# Altium PCB PROC010B_PCB.PcbDoc (part 2 of 6)
Units mil, origin at the board's own origin, x right, y up, seen from the top; angles counter-clockwise.
Board outline 3180 x 2565 mil, 6 copper layers (TOP, L2, L3, L4, L5, BOTTOM), stack 55.54 mil thick; 362 components, 264 nets, 1248 pads, 1144 vias.
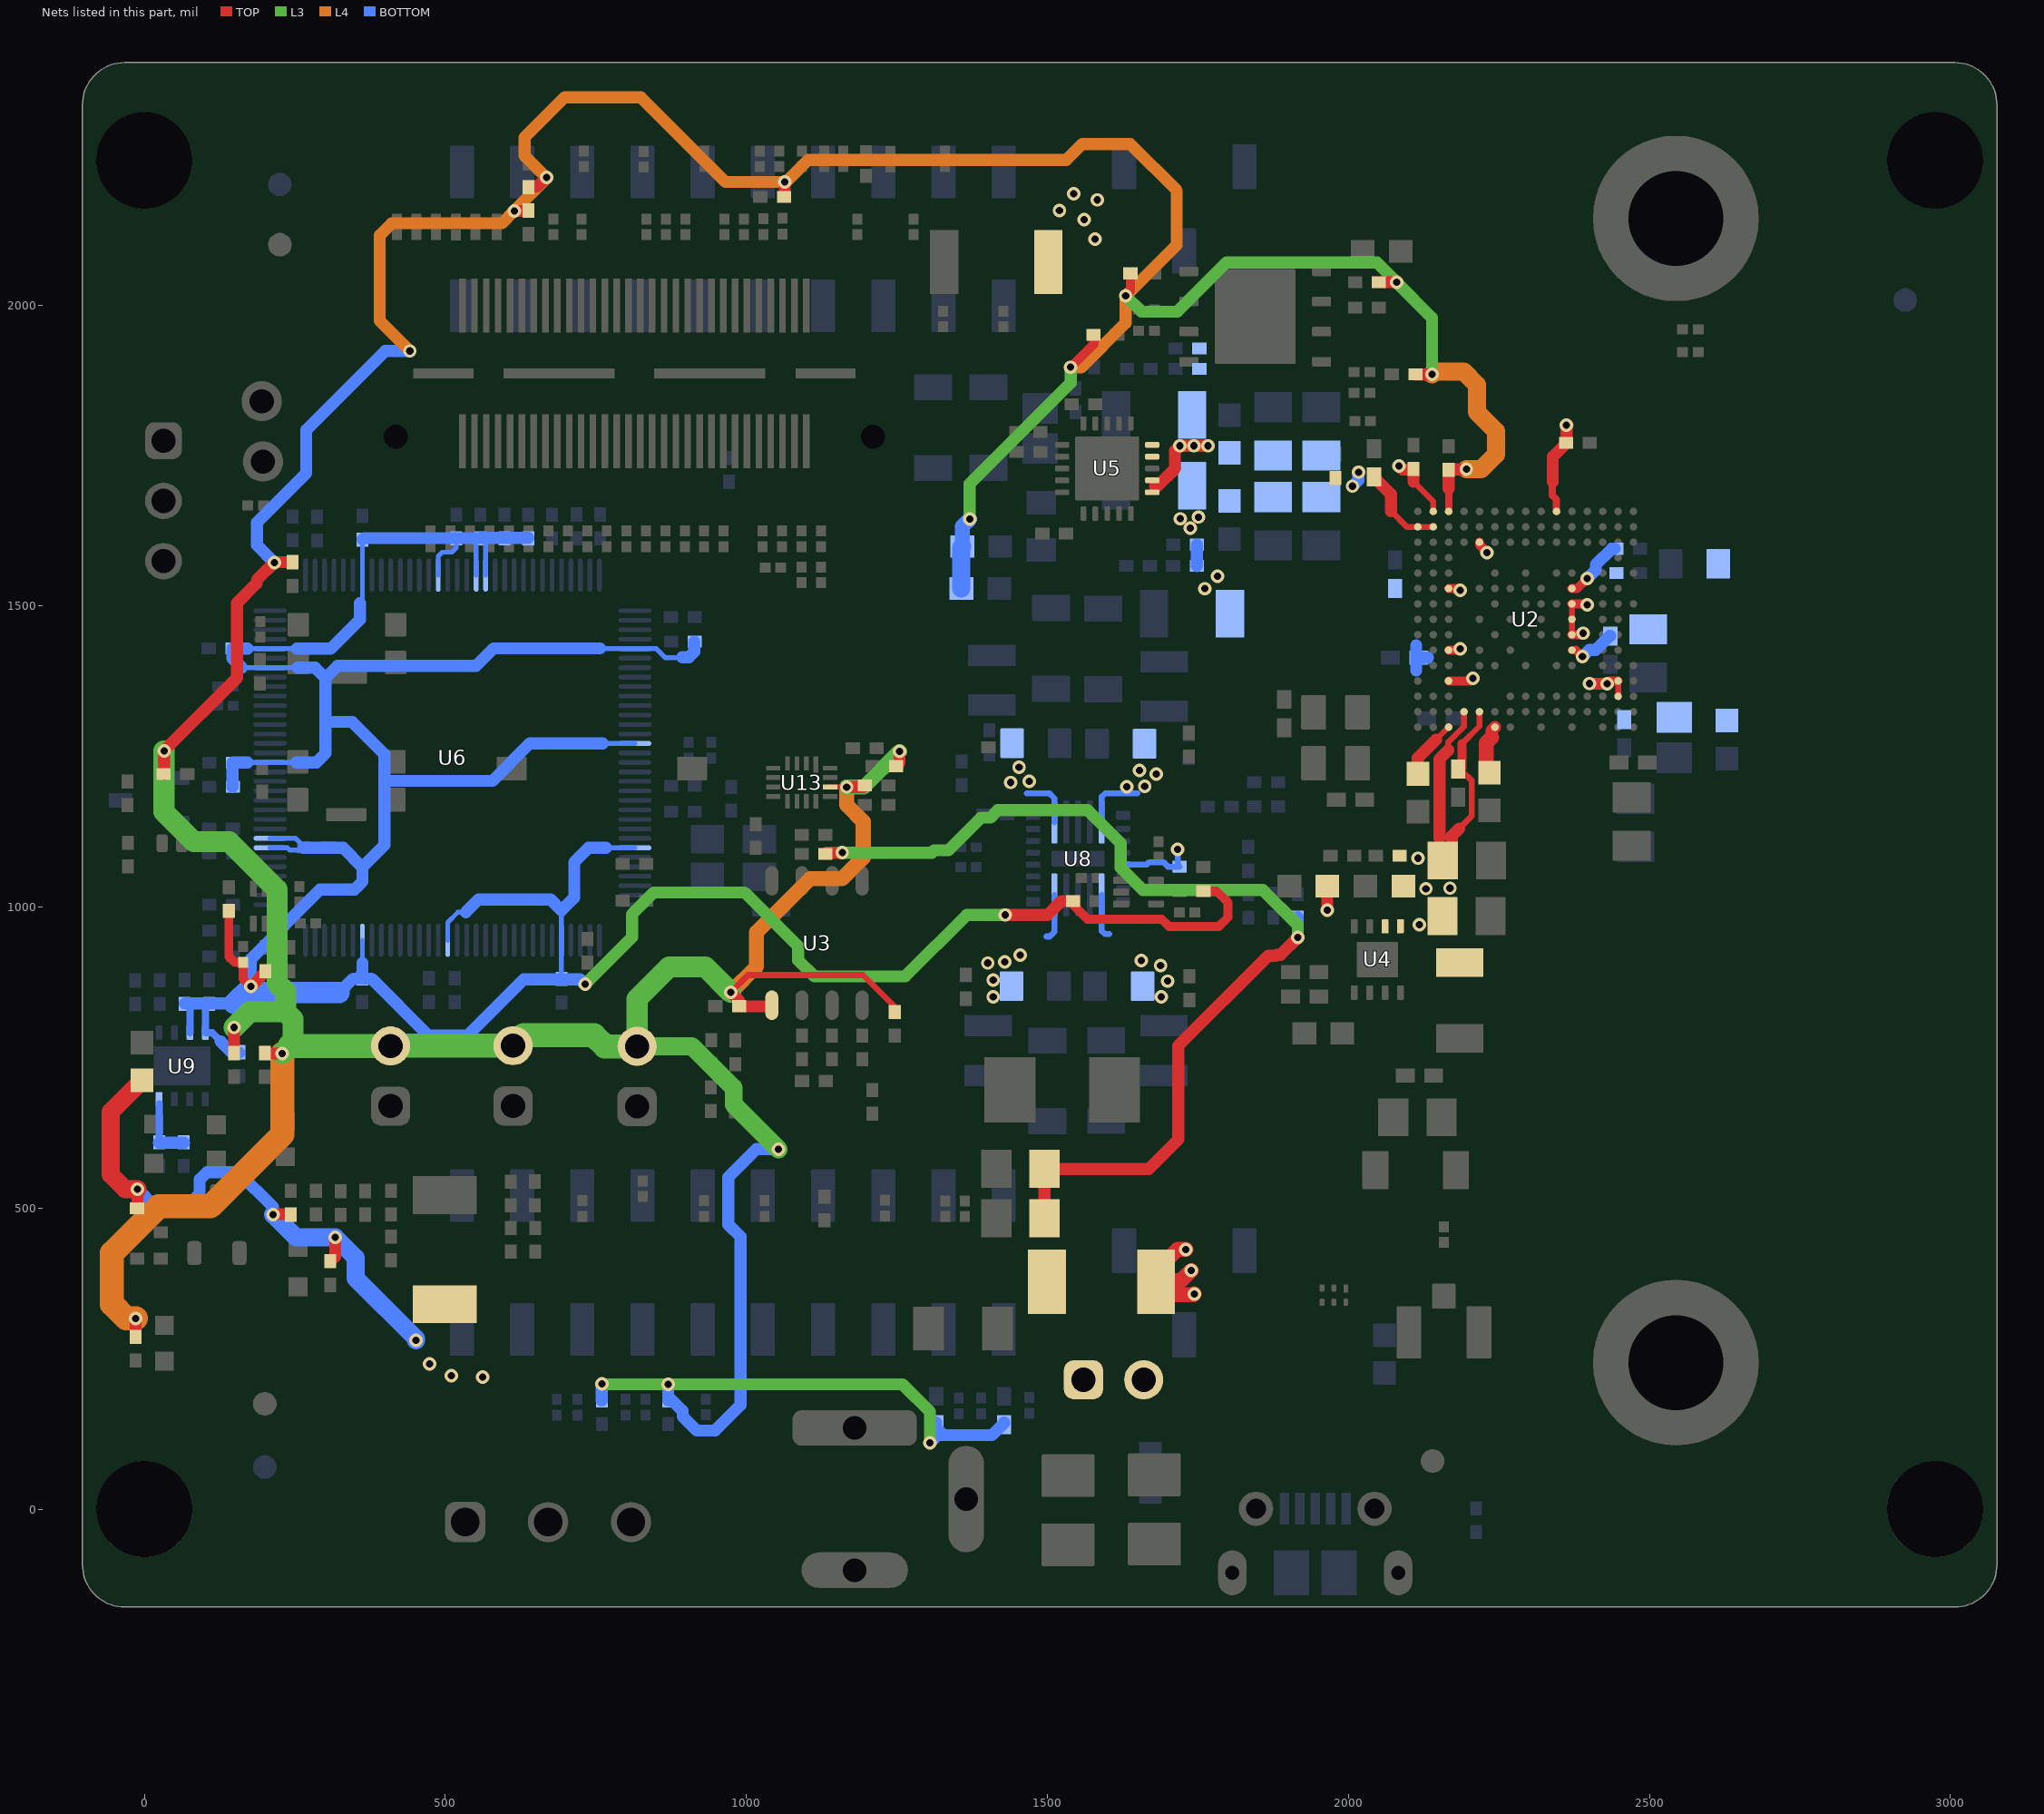
[diagram p6: the nets of this part, all layers, seen from the top]

## Footprints (in the part's own frame and the unit in brackets; to place one, negate y for a bottom-side part, rotate by r counter-clockwise, add the part's x,y. Pads: shape width x height; smd on the part's side, far side on the other; paste and mask are expansions set on the pad) (continued)
PDT0128A [mm] "Thin QFP, 128-Leads, Body 14x14mm, Pitch 0.4mm"
  oval 1.4x0.2 smd: 1(-7.7,6.2) 2(-7.7,5.8) 3(-7.7,5.4) 4(-7.7,5) 5(-7.7,4.6) 6(-7.7,4.2) 7(-7.7,3.8) 8(-7.7,3.4) 9(-7.7,3) 10(-7.7,2.6) 11(-7.7,2.2) 12(-7.7,1.8) 13(-7.7,1.4) 14(-7.7,1) 15(-7.7,0.6) 16(-7.7,0.2) 17(-7.7,-0.2) 18(-7.7,-0.6) 19(-7.7,-1) 20(-7.7,-1.4) 21(-7.7,-1.8) 22(-7.7,-2.2) 23(-7.7,-2.6) 24(-7.7,-3) 25(-7.7,-3.4) 26(-7.7,-3.8) 27(-7.7,-4.2) 28(-7.7,-4.6) 29(-7.7,-5) 30(-7.7,-5.4) 31(-7.7,-5.8) 32(-7.7,-6.2) 65(7.7,-6.2) 66(7.7,-5.8) 67(7.7,-5.4) 68(7.7,-5) 69(7.7,-4.6) 70(7.7,-4.2) 71(7.7,-3.8) 72(7.7,-3.4) 73(7.7,-3) 74(7.7,-2.6) 75(7.7,-2.2) 76(7.7,-1.8) 77(7.7,-1.4) 78(7.7,-1) 79(7.7,-0.6) 80(7.7,-0.2) 81(7.7,0.2) 82(7.7,0.6) 83(7.7,1) 84(7.7,1.4) 85(7.7,1.8) 86(7.7,2.2) 87(7.7,2.6) 88(7.7,3) 89(7.7,3.4) 90(7.7,3.8) 91(7.7,4.2) 92(7.7,4.6) 93(7.7,5) 94(7.7,5.4) 95(7.7,5.8) 96(7.7,6.2)
  oval 0.2x1.4 smd: 33(-6.2,-7.7) 34(-5.8,-7.7) 35(-5.4,-7.7) 36(-5,-7.7) 37(-4.6,-7.7) 38(-4.2,-7.7) 39(-3.8,-7.7) 40(-3.4,-7.7) 41(-3,-7.7) 42(-2.6,-7.7) 43(-2.2,-7.7) 44(-1.8,-7.7) 45(-1.4,-7.7) 46(-1,-7.7) 47(-0.6,-7.7) 48(-0.2,-7.7) 49(0.2,-7.7) 50(0.6,-7.7) 51(1,-7.7) 52(1.4,-7.7) 53(1.8,-7.7) 54(2.2,-7.7) 55(2.6,-7.7) 56(3,-7.7) 57(3.4,-7.7) 58(3.8,-7.7) 59(4.2,-7.7) 60(4.6,-7.7) 61(5,-7.7) 62(5.4,-7.7) 63(5.8,-7.7) 64(6.2,-7.7) 97(6.2,7.7) 98(5.8,7.7) 99(5.4,7.7) 100(5,7.7) 101(4.6,7.7) 102(4.2,7.7) 103(3.8,7.7) 104(3.4,7.7) 105(3,7.7) 106(2.6,7.7) 107(2.2,7.7) 108(1.8,7.7) 109(1.4,7.7) 110(1,7.7) 111(0.6,7.7) 112(0.2,7.7) 113(-0.2,7.7) 114(-0.6,7.7) 115(-1,7.7) 116(-1.4,7.7) 117(-1.8,7.7) 118(-2.2,7.7) 119(-2.6,7.7) 120(-3,7.7) 121(-3.4,7.7) 122(-3.8,7.7) 123(-4.2,7.7) 124(-4.6,7.7) 125(-5,7.7) 126(-5.4,7.7) 127(-5.8,7.7) 128(-6.2,7.7)
  silkscreen extent -7.7,-6.3 6.3,6.99, body extent -8,-8 8,8, height 1.07
RNF0026C [mm] "QFN, 26-Leads, Body 4x4.5mm, Pitch 0.5mm"
  rrect25% 0.6x0.4 smd paste-0.3: 1(-1.9,1.825) 8(-1.9,-1.825) 14(1.9,-1.825) 21(1.9,1.825)
  rrect40% 0.6x0.25 smd paste+0: 2(-1.9,1.25) 3(-1.9,0.75) 4(-1.9,0.25) 5(-1.9,-0.25) 6(-1.9,-0.75) 7(-1.9,-1.25) 15(1.9,-1.25) 16(1.9,-0.75) 17(1.9,-0.25) 18(1.9,0.25) 19(1.9,0.75) 20(1.9,1.25)
  rrect40% 0.25x1.82 smd paste-1: 9(-1,-1.54) 10(-0.5,-1.54) 11(0,-1.54) 12(0.5,-1.54) 13(1,-1.54) 22(1,1.54) 23(0.5,1.54) 24(0,1.54) 25(-0.5,1.54) 26(-1,1.54)
  rrect15% 2.24x0.66 smd paste-1: 27(0,0)
  rrect33% 0.6x0.3 on Bottom Paste: ""(-1.9,-1.775) ""(-1.9,1.775) ""(1.9,-1.775) ""(1.9,1.775)
  rrect33% 0.3x0.825 on Bottom Paste: ""(-1.575,-2.037) ""(-1.575,2.037) ""(1.575,-2.037) ""(1.575,2.037)
  rrect40% 0.25x0.81 on Bottom Paste: ""(-1,-2.045) ""(-1,-1.035) ""(-1,1.035) ""(-1,2.045) ""(-0.5,-2.045) ""(-0.5,-1.035) ""(-0.5,1.035) ""(-0.5,2.045) ""(0,-2.045) ""(0,-1.035) ""(0,1.035) ""(0,2.045) ""(0.5,-2.045) ""(0.5,-1.035) ""(0.5,1.035) ""(0.5,2.045) ""(1,-2.045) ""(1,-1.035) ""(1,1.035) ""(1,2.045)
  rrect15% 0.98x0.66 on Bottom Paste: ""(-0.59,0) ""(0.59,0)
  TOP region: -1.775,1.675 -1.775,2.4 -1.771,2.419 -1.76,2.435 -1.744,2.446 -1.725,2.45 -1.725,2.45 -1.475,2.45 -1.456,2.446 -1.44,2.435 -1.429,2.419 -1.425,2.4 -1.425,2.4 -1.425,1.675 -1.429,1.656 -1.44,1.64 -1.456,1.629 -1.475,1.625 -1.475,1.625 -1.725,1.625 -1.744,1.629 -1.76,1.64 -1.771,1.656 -1.775,1.675
  TOP region: 1.425,1.675 1.425,2.4 1.429,2.419 1.44,2.435 1.456,2.446 1.475,2.45 1.475,2.45 1.725,2.45 1.744,2.446 1.76,2.435 1.771,2.419 1.775,2.4 1.775,2.4 1.775,1.675 1.771,1.656 1.76,1.64 1.744,1.629 1.725,1.625 1.725,1.625 1.475,1.625 1.456,1.629 1.44,1.64 1.429,1.656 1.425,1.675
  TOP region: 1.425,-2.4 1.425,-1.675 1.429,-1.656 1.44,-1.64 1.456,-1.629 1.475,-1.625 1.475,-1.625 1.725,-1.625 1.744,-1.629 1.76,-1.64 1.771,-1.656 1.775,-1.675 1.775,-1.675 1.775,-2.4 1.771,-2.419 1.76,-2.435 1.744,-2.446 1.725,-2.45 1.725,-2.45 1.475,-2.45 1.456,-2.446 1.44,-2.435 1.429,-2.419 1.425,-2.4
  TOP region: -1.775,-2.4 -1.775,-1.675 -1.771,-1.656 -1.76,-1.64 -1.744,-1.629 -1.725,-1.625 -1.725,-1.625 -1.475,-1.625 -1.456,-1.629 -1.44,-1.64 -1.429,-1.656 -1.425,-1.675 -1.425,-1.675 -1.425,-2.4 -1.429,-2.419 -1.44,-2.435 -1.456,-2.446 -1.475,-2.45 -1.475,-2.45 -1.725,-2.45 -1.744,-2.446 -1.76,-2.435 -1.771,-2.419 -1.775,-2.4
  silkscreen extent -2.45,-2.7 2.45,2.7, body extent -2,-2.25 2,2.25, height 0.9
RSV0016A [mm] "QFN, 16-Leads, Body 1.8x2.6mm, Pitch 0.4mm, TI Recommended"
  rect 0.7x0.2 smd: 1(-0.75,0.6)
  rect 0.6x0.2 smd: 2(-0.8,0.2) 3(-0.8,-0.2) 4(-0.8,-0.6) 9(0.8,-0.6) 10(0.8,-0.2) 11(0.8,0.2) 12(0.8,0.6)
  rect 0.2x0.6 smd: 5(-0.6,-1.2) 6(-0.2,-1.2) 7(0.2,-1.2) 8(0.6,-1.2) 13(0.6,1.2) 14(0.2,1.2) 15(-0.2,1.2) 16(-0.6,1.2)
  silkscreen extent -1.08,-1.33 1.08,1.45, body extent -0.92,-1.32 0.92,1.33, height 0.56
RTJ0020D [mm] "QFN, 20-Leads, Body 4x4mm, Pitch 0.5mm, Thermal Pad 2.7x2.7mm, TI Recommended"
  rrect42% 0.6x0.24 smd: 1(-1.9,1) 2(-1.9,0.5) 3(-1.9,0) 4(-1.9,-0.5) 5(-1.9,-1) 11(1.9,-1) 12(1.9,-0.5) 13(1.9,0) 14(1.9,0.5) 15(1.9,1)
  rrect42% 0.24x0.6 smd: 6(-1,-1.9) 7(-0.5,-1.9) 8(0,-1.9) 9(0.5,-1.9) 10(1,-1.9) 16(1,1.9) 17(0.5,1.9) 18(0,1.9) 19(-0.5,1.9) 20(-1,1.9)
  rrect8% 1.19x1.19 on Top Paste: 21(-0.695,-0.695) 21(-0.695,0.695) 21(0.695,-0.695) 21(0.695,0.695)
  rrect4% 2.7x2.7 smd paste-1.4: 21(0,0)
  silkscreen extent -2.22,-2.22 2.23,2.23, body extent -2.07,-2.07 2.08,2.08, height 0.8
Samtec_QSH-030-01-X-D-A [mm] "Receptacle, 0.5 mm, 30x2, TH"
  rect 2.27x0.279 smd: 1(-2.865,7.25) 2(2.865,7.25) 3(-2.865,6.75) 4(2.865,6.75) 5(-2.865,6.25) 6(2.865,6.25) 7(-2.865,5.75) 8(2.865,5.75) 9(-2.865,5.25) 10(2.865,5.25) 11(-2.865,4.75) 12(2.865,4.75) 13(-2.865,4.25) 14(2.865,4.25) 15(-2.865,3.75) 16(2.865,3.75) 17(-2.865,3.25) 18(2.865,3.25) 19(-2.865,2.75) 20(2.865,2.75) 21(-2.865,2.25) 22(2.865,2.25) 23(-2.865,1.75) 24(2.865,1.75) 25(-2.865,1.25) 26(2.865,1.25) 27(-2.865,0.75) 28(2.865,0.75) 29(-2.865,0.25) 30(2.865,0.25) 31(-2.865,-0.25) 32(2.865,-0.25) 33(-2.865,-0.75) 34(2.865,-0.75) 35(-2.865,-1.25) 36(2.865,-1.25) 37(-2.865,-1.75) 38(2.865,-1.75) 39(-2.865,-2.25) 40(2.865,-2.25) 41(-2.865,-2.75) 42(2.865,-2.75) 43(-2.865,-3.25) 44(2.865,-3.25) 45(-2.865,-3.75) 46(2.865,-3.75) 47(-2.865,-4.25) 48(2.865,-4.25) 49(-2.865,-4.75) 50(2.865,-4.75) 51(-2.865,-5.25) 52(2.865,-5.25) 53(-2.865,-5.75) 54(2.865,-5.75) 55(-2.865,-6.25) 56(2.865,-6.25) 57(-2.865,-6.75) 58(2.865,-6.75) 59(-2.865,-7.25) 60(2.865,-7.25)
  round 0 hole 1.02 unplated mask+0: MH1(2.67,10.065) MH2(2.67,-10.065)
  rect 0.43x2.54 smd: MP1(0,8.065) MP4(0,-8.065)
  rect 0.43x4.7 smd: MP2(0,3.175) MP3(0,-3.175)
  silkscreen extent -3.9,-10.66 3.62,10.66, body extent -3.75,-10.64 3.75,10.67, height 3.25
Samtec_SSM-103-x-SV [mm] "Receptacle, 2.54mm, 3x1, SMT"
  rrect10% 1.02x1.905 smd: 1(-2.54,-1.777) 2(0,1.777) 3(2.54,-1.777)
  silkscreen extent -3.81,-2.27 3.81,1.28, body extent -3.81,-2.29 3.81,2.29, height 7.51
Samtec_SSM-110-x-DV [mm] "Receptacle, 2.54mm, 10x2, SMT"
  rrect10% 1.02x2.22 smd: 1(-11.43,2.825) 2(-11.43,-2.825) 3(-8.89,2.825) 4(-8.89,-2.825) 5(-6.35,2.825) 6(-6.35,-2.825) 7(-3.81,2.825) 8(-3.81,-2.825) 9(-1.27,2.825) 10(-1.27,-2.825) 11(1.27,2.825) 12(1.27,-2.825) 13(3.81,2.825) 14(3.81,-2.825) 15(6.35,2.825) 16(6.35,-2.825) 17(8.89,2.825) 18(8.89,-2.825) 19(11.43,2.825) 20(11.43,-2.825)
  silkscreen extent -13.02,-2.54 12.7,2.54, body extent -12.7,-3.52 12.7,3.52, height 7.42
Samtec_TSW-101-17-T-S [mm] "Samtec,CONN HEADER 1POS .100\" SNGL TIN"
  round 1.7 hole 1.02: 1(0,0)
  silkscreen extent -1.27,-1.27 1.27,1.27, body extent -1.27,-1.27 1.27,1.27, height 18.29
Samtec_TSW-103-07-T-S [mm] "Header, 2.54 mm, 3x1, TH"
  rrect50% 1.55x1.55 hole 1.02: 1(-2.54,0)
  round 1.55 hole 1.02: 2(0,0) 3(2.54,0)
  body extent -3.81,-1.27 3.81,1.27, height 8.39
SMB [mil] "Molded Diode, 2-Leads, Body 5.4x3.6mm, IPC Medium Density, based on OnSemi component dimensions"
  rect 85x107.99 smd: 1(-87.01,0) 2(87.01,0)
  silkscreen extent -155,-82 125,82, body extent -106,-71 106,71, height 91
SML-E1_Yellow [mm] "SMD, 2-Leads, Body 1.6x0.8mm"
  rect 0.8x0.8 smd: 1(0.825,0) 2(-0.825,0)
  silkscreen extent -1.8,-0.8 1.3,0.8, body extent -0.85,-0.45 0.85,0.45, height 0.46
SML-LX0603SRW_SuperRed [mm] "Lumex Opto/Components Inc"
  rect 0.8x0.8 smd: 1(-0.75,0) 2(0.75,0)
  silkscreen extent 1.4,-0.53 1.78,0.53, body extent -0.92,-0.53 0.92,0.53, height 1.1
SOD-882 [mm] "Skyworks"
  rrect42% 0.475x0.75 smd: 1(-0.412,0) 2(0.412,0)
  silkscreen extent -1.1,-0.35 -0.87,0.35, body extent -0.5,-0.3 0.5,0.3, height 0.5
SOT-23 [mm] "SOT23, 3-Leads, Body 2.9x1.3mm, Pitch 0.95mm, Lead Span 2.5mm, IPC Medium Density"
  rrect50% 1x0.6 smd: 1(-1.2,0.95) 2(-1.2,-0.95) 3(1.2,0)
  silkscreen extent -1.62,-1.5 0.7,1.5, body extent -1.16,-1.45 1.21,1.45, height 1
SW_CHS-01TB [mm] "CHS Recommended footprint"
  rect 1x1.27 smd: 1(0,3.81) 2(0,-3.81)
  silkscreen extent -1.8,-4.05 1.3,4.05, body extent -1.25,-4 1.25,4, height 2.51
SW_KMR243GLFG [mm] "SMD, 5-Leads, Body 4.2x2.8mm"
  rrect11% 0.9x1 smd: 1(-2.05,0.8) 2(2.05,0.8) 3(-2.05,-0.8) 4(2.05,-0.8)
  rrect18% 1.7x0.55 smd: 5(0,1.425)
  silkscreen extent -3.1,0.7 -2.9,0.9, body extent -2.3,-1.4 2.3,1.4, height 1.92
TI_Stacked_Overlay_Small [mil]
  silkscreen extent -418,-98 418,98
TSW-102-07-G-S [mm] "Samtec 100mil, 1x2, 230 mil above insulator"
  rrect50% 1.65x1.65 hole 1.016: 1(-1.27,0)
  round 1.65 hole 1.016: 2(1.27,0)
  body extent -2.54,-1.27 2.54,1.27, height 8.38
WEEE_Minimum [mil] "WEEElie bin"
  silkscreen extent -95,-172 99,104
WSON-8L_6x5MM_EP [mm] "SMD, 8-Leads, Body 6x5mm, Pitch 1.27mm"
  rrect25% 0.8x0.4 smd: 1(-2.8,1.905) 2(-2.8,0.635) 3(-2.8,-0.635) 4(-2.8,-1.905) 5(2.8,-1.905) 6(2.8,-0.635) 7(2.8,0.635) 8(2.8,1.905)
  rrect3% 3.4x4 smd paste-3: 9(0,0)
  rrect7% 1.468x1.698 on Top Paste: ""(-0.834,-0.949) ""(-0.834,0.949) ""(0.834,-0.949) ""(0.834,0.949)
  silkscreen extent -3.2,-2.7 3.2,2.7, body extent -3.05,-2.55 3.05,2.55, height 0.8

## Part data
C1 C13 C14 C33 C36 C91: library part CMP-0007136-5, "CAP, CERM, 1 uF, 16 V, +/- 10%, X7R, AEC-Q200 Grade 1, 0603", Cap_Case=0603, Manufacturer=MuRata, Supplier Part Number 1=490-5241-6-ND, TempCo=X7R, Tolerance_%=10%, Value1=Unknown, Value2=16V, ValueDisplayed=1uF, AEC Category=Q200, AEC Grade=1, AEC Qualified=Y, Cap_F=1µF, ComponentLink1Description="Datasheet link", ComponentLink1URL=http://psearch.en.murata.com/capacitor/product/GCM188R71C105KA64%23.pdf, CompType=Capacitor, LatestRevisionDate=2017-03-09, MountType=SMT, PackageReference=0603, PartNumber=GCM188R71C105KA64D, Polarized=N, Published=2008-06-19, Publisher="Texas Instruments", RoHS=Y, SizeArea_mm2=1.28, SizeAreaWB_mm2=4.68, SizeX_mm=1.6, SizeY_mm=0.8, SizeZ_mm=1, Supplier 1=Digi-Key, Supplier 2=Mouser, Supplier Part Number 2=81-GCM188R71C105K64D, TaMax_C=125°C, TaMin_C=-55°C, Technology=Ceramic, U/M=EA, VDC_V=16V
C2 C21: library part CMP-0006325-2, "CAP, CERM, 0.1 uF, 50 V, +/- 10%, X7R, AEC-Q200 Grade 1, 0402", Cap_Case=0402, Manufacturer=TDK, Supplier Part Number 1=445-6899-1-ND, TempCo=X7R, Tolerance_%=10%, Value1="0.039064 ohm", Value2=50V, ValueDisplayed=0.1uF, AEC Category=Q200, AEC Grade=1, AEC Qualified=Y, Cap_F=100nF, ComponentLink1Description="Datasheet link", ComponentLink1URL=https://product.tdk.com/en/search/capacitor/ceramic/mlcc/info?part_no=CGA2B3X7R1H104K050BB, CompType=Capacitor, ESR_ohm=0.039064, IRMS_A=8.14669dA, LatestRevisionDate=2017-03-09, MountType=SMT, PackageReference=0402, PartNumber=CGA2B3X7R1H104K050BB, Polarized=N, Published=2008-06-19, Publisher="Texas Instruments", RoHS=Y, SizeArea_mm2=0.5, SizeAreaWB_mm2=3, SizeX_mm=1, SizeY_mm=0.5, SizeZ_mm=0.6, Supplier 1=Digi-Key, Supplier 2=Newark, Supplier 3=Mouser, Supplier Part Number 2=04X3148, Supplier Part Number 3=810-CGA2B3X7R1H104K, TaMax_C=125°C, TaMin_C=-55°C, Technology=Ceramic, U/M=EA, VDC_V=50V
C3 C5 C7 C10 C12 C39 C47 C48 C51 C53 C56 C57 C68: library part CMP-0078265-1, "CAP, CERM, 0.22 µF, 16 V,+/- 10%, X7R, AEC-Q200 Grade 1, 0402", Cap_Case=0402, Manufacturer=MuRata, Supplier Part Number 1=490-10671-1-ND, TempCo=X7R, Tolerance_%=10%, Value2=16V, ValueDisplayed=0.22µF, AEC Category=Q200, AEC Grade=1, AEC Qualified=Y, Cap_F=220nF, ComponentLink1Description="Datasheet link", ComponentLink1URL=http://psearch.en.murata.com/capacitor/product/GCM155R71C224KE02%23.pdf, CompType=Capacitor, MountType=SMT, PackageReference=0402, PartNumber=GCM155R71C224KE02D, Polarized=N, RoHS=Y, SizeArea_mm2=0.5, SizeAreaWB_mm2=3, SizeX_mm=1, SizeY_mm=0.5, SizeZ_mm=0.6, Supplier 1=Digi-Key, Supplier 2=Mouser, Supplier Part Number 2=81-GCM155R71C224KE2D, TaMax_C=125°C, TaMin_C=-55°C, Technology=Ceramic, U/M=EA, VDC_V=16V
C4 C6 C11: library part CMP-0006351-2, "CAP, CERM, 0.1 uF, 16 V, +/- 10%, X7R, 0402", Cap_Case=0402, Manufacturer=MuRata, Supplier Part Number 1=490-4759-2-ND, TempCo=X7R, Tolerance_%=10%, Value1=Unknown, Value2=16V, ValueDisplayed=0.1uF, AEC Category=Q200, AEC Qualified=?, Cap_F=100nF, ComponentLink1Description="Datasheet link", ComponentLink1URL=http://psearch.murata.com/capacitor/product/GCM155R71C104KA55%23.pdf, CompType=Capacitor, LatestRevisionDate=2017-03-09, MountType=SMT, PackageReference=0402, PartNumber=GCM155R71C104KA55D, Polarized=N, Published=2008-06-19, Publisher="Texas Instruments", RoHS=Y, SizeArea_mm2=0.5, SizeAreaWB_mm2=3, SizeX_mm=1, SizeY_mm=0.5, SizeZ_mm=0.6, Supplier 1=Digi-Key, TaMax_C=125°C, TaMin_C=-55°C, Technology=Ceramic, U/M=EA, VDC_V=16V
C8: library part CMP-0078219-1, "CAP, CERM, 0.1 µF, 10 V,+/- 10%, X7S, 0201", Cap_Case=0201, Manufacturer=TDK, Supplier Part Number 1=445-9051-1-ND, TempCo=X7S, Tolerance_%=10%, Value2=10V, ValueDisplayed=0.1µF, AEC Category=Q200, AEC Grade=N/A, AEC Qualified=N, Cap_F=100nF, ComponentLink1Description="Datasheet link", ComponentLink1URL=https://product.tdk.com/info/en/catalog/datasheets/mlcc_commercial_general_en.pdf, CompType=Capacitor, Green_EU RoHS=Passed, Green_EU RoHS-2=Passed, Green_Lifecycle=NRND, Green_REACh=Passed, MountType=SMT, PackageReference=0201, PartNumber=C0603X7S1A104K030BC, Polarized=N, RoHS=Y, SizeArea_mm2=0.18, SizeAreaWB_mm2=2.08, SizeX_mm=0.6, SizeY_mm=0.3, SizeZ_mm=0.33, Supplier 1=Digi-Key, Supplier 2=Newark, Supplier 3=Mouser, Supplier Part Number 2=94Y9906, Supplier Part Number 3=810-C0603X7S1A104K, TaMax_C=125°C, TaMin_C=-55°C, Technology=Ceramic, U/M=EA, VDC_V=10V
C9 C15: library part CMP-0006367-2, "CAP, CERM, 4.7 pF, 50 V, +/- 2%, C0G/NP0, 0402", Cap_Case=0402, Manufacturer=MuRata, Supplier Part Number 1=490-8102-1-ND, TempCo=C0G/NP0, Tolerance_%=2%, Value1=Unknown, Value2=50V, ValueDisplayed=4.7pF, AEC Category=Q200, AEC Grade=N/A, AEC Qualified=N, Cap_F=4.7pF, ComponentLink1Description="Datasheet link", ComponentLink1URL=http://psearch.murata.com/capacitor/product/GJM1555C1H4R7BB01%23.pdf, CompType=Capacitor, LatestRevisionDate=2017-03-09, MountType=SMT, PackageReference=0402, PartNumber=GJM1555C1H4R7BB01D, Polarized=N, Published=2008-06-19, Publisher="Texas Instruments", RoHS=Y, SizeArea_mm2=0.5, SizeAreaWB_mm2=3, SizeX_mm=1, SizeY_mm=0.5, SizeZ_mm=0.6, Supplier 1=Digi-Key, Supplier 2=Mouser, Supplier Part Number 2=81-GJM1555C1H4R7BB01, TaMax_C=125°C, TaMin_C=-55°C, Technology=Ceramic, U/M=EA, VDC_V=50V
C16 C20 C42 C43 C49 C64 C67 C71 C75 C76 C79 C84 C85 C90: library part CMP-0078241-1, "CAP, CERM, 0.1 µF, 10 V,+/- 10%, X7R, 0402", Cap_Case=0402, Manufacturer=Kemet, Supplier Part Number 1=399-3520-1-ND, TempCo=X7R, Tolerance_%=10%, Value2=10V, ValueDisplayed=0.1µF, AEC Category=Q200, AEC Grade=N/A, AEC Qualified=N, Cap_F=100nF, ComponentLink1Description="Datasheet link", ComponentLink1URL=https://content.kemet.com/datasheets/KEM_C1002_X7R_SMD.pdf, CompType=Capacitor, MountType=SMT, PackageReference=0402, PartNumber=C0402C104K8RACTU, Polarized=N, RoHS=Y, SizeArea_mm2=0.5, SizeAreaWB_mm2=3, SizeX_mm=1, SizeY_mm=0.5, SizeZ_mm=0.6, Supplier 1=Digi-Key, Supplier 2=Newark, Supplier 3=Mouser, Supplier Part Number 2=68X2393, Supplier Part Number 3=80-C0402C104K8R, TaMax_C=125°C, TaMin_C=-55°C, Technology=Ceramic, U/M=EA, VDC_V=10V
C17 C19 C23 C32 C34 C35 C37 C38 C40 C45 C52 C58 C59 C60 C65 C72 C73 C83: library part CMP-0008017-2, "CAP, CERM, 10 uF, 10 V, +/- 10%, X7R, 0805", Cap_Case=0805, Manufacturer=MuRata, Supplier Part Number 1=490-10674-1-ND, TempCo=X7R, Tolerance_%=10%, Value1=Unknown, Value2=10V, ValueDisplayed=10uF, AEC Category=Q200, AEC Qualified=?, Cap_F=10µF, ComponentLink1Description="Datasheet link", ComponentLink1URL=http://www.murata.com/products/catalog/pdf/c03e.pdf, CompType=Capacitor, LatestRevisionDate=2017-03-09, MountType=SMT, PackageReference=0805, PartNumber=GCM21BR71A106KE22L, Polarized=N, Published=2008-06-19, Publisher="Texas Instruments", RoHS=Y, SizeArea_mm2=2.5, SizeAreaWB_mm2=6.75, SizeX_mm=2, SizeY_mm=1.25, SizeZ_mm=1.45, Supplier 1=Digi-Key, Supplier 2=Newark, Supplier 3=Mouser, Supplier Part Number 2=06AC6014, Supplier Part Number 3=81-GCM21BR71A106KE2L, TaMax_C=125°C, TaMin_C=-55°C, Technology=Ceramic, U/M=EA, VDC_V=10V
C18 C22: library part CMP-0007138-4, "CAP, CERM, 0.47 uF, 16 V, +/- 10%, X7R, AEC-Q200 Grade 1, 0603", Cap_Case=0603, Manufacturer=MuRata, Supplier Part Number 1=490-4775-1-ND, TempCo=X7R, Tolerance_%=10%, Value1=Unknown, Value2=16V, ValueDisplayed=0.47uF, AEC Category=Q200, AEC Grade=1, AEC Qualified=Y, Cap_F=470nF, ComponentLink1Description="Datasheet link", ComponentLink1URL=http://psearch.en.murata.com/capacitor/product/GCM188R71C474KA55%23.pdf, CompType=Capacitor, LatestRevisionDate=2017-03-09, MountType=SMT, PackageReference=0603, PartNumber=GCM188R71C474KA55D, Polarized=N, Published=2008-06-19, Publisher="Texas Instruments", RoHS=Y, SizeArea_mm2=1.28, SizeAreaWB_mm2=4.68, SizeX_mm=1.6, SizeY_mm=0.8, SizeZ_mm=1, Supplier 1=Digi-Key, Supplier 2=Newark, Supplier Part Number 2=45Y5163, TaMax_C=125°C, TaMin_C=-55°C, Technology=Ceramic, U/M=EA, VDC_V=16V
C24: library part CMP-0078221-1, "CAP, CERM, 4700 pF, 50 V,+/- 10%, X7R, 0402", Cap_Case=0402, Manufacturer=TDK, Supplier Part Number 1=445-1258-1-ND, TempCo=X7R, Tolerance_%=10%, Value2=50V, ValueDisplayed=4700pF, AEC Category=Q200, AEC Grade=N/A, AEC Qualified=N, Cap_F=4.7nF, ComponentLink1Description="Datasheet link", ComponentLink1URL=https://product.tdk.com/info/en/catalog/datasheets/mlcc_commercial_general_en.pdf, CompType=Capacitor, MountType=SMT, PackageReference=0402, PartNumber=C1005X7R1H472K050BA, Polarized=N, RoHS=Y, SizeArea_mm2=0.5, SizeAreaWB_mm2=3, SizeX_mm=1, SizeY_mm=0.5, SizeZ_mm=0.6, Supplier 1=Digi-Key, Supplier 2=Newark, Supplier 3=Mouser, Supplier Part Number 2=55T0075, Supplier Part Number 3=810-C1005X7R1H472K, TaMax_C=125°C, TaMin_C=-55°C, Technology=Ceramic, U/M=EA, VDC_V=50V
C25 C30 C31: library part CMP-0008770-2, "CAP, CERM, 22 uF, 6.3 V, +/- 10%, X7R, AEC-Q200 Grade 1, 1206", Cap_Case=1206_180, Manufacturer=TDK, Supplier Part Number 1=445-7884-1-ND, TempCo=X7R, Tolerance_%=10%, Value1="0.001872 ohm", Value2=6.3V, ValueDisplayed=22uF, AEC Category=Q200, AEC Grade=1, AEC Qualified=Y, Cap_F=22µF, ComponentLink1Description="Datasheet link", ComponentLink1URL=https://product.tdk.com/en/search/capacitor/ceramic/mlcc/info?part_no=CGA5L1X7R0J226M160AC, CompType=Capacitor, ESR_ohm=1.872m, IRMS_A=5.30203A, LatestRevisionDate=2017-03-09, MountType=SMT, PackageReference=1206, PartNumber=CGA5L1X7R0J226M160AC, Polarized=N, Published=2008-06-19, Publisher="Texas Instruments", RoHS=Y, SizeArea_mm2=5.12, SizeAreaWB_mm2=10.92, SizeX_mm=3.2, SizeY_mm=1.6, SizeZ_mm=1.8, Supplier 1=Digi-Key, Supplier 2=Newark, Supplier 3=Mouser, Supplier Part Number 2=52W9837, Supplier Part Number 3=810-CGA5L1X7R0J226M, TaMax_C=125°C, TaMin_C=-55°C, Technology=Ceramic, U/M=EA, VDC_V=6.3V
C26 C27: library part CMP-0078216-1, "CAP, TA, 47 µF, 10 V, +/- 10%, SMD", Cap_Case=3528-21, Manufacturer=Kemet, Supplier Part Number 1=399-9728-1-ND, Tolerance_%=10%, Value2=10V, ValueDisplayed=47µF, AEC Category=Q200, AEC Grade=N/A, AEC Qualified=N, Cap_F=47µF, ComponentLink1Description="Datasheet link", ComponentLink1URL=https://content.kemet.com/datasheets/KEM_T2005_T491.pdf, CompType=Capacitor, MountType=SMT, PackageReference=3528-21, PartNumber=T491B476K010AT, Polarized=Y, RoHS=Y, Series=T491, SizeArea_mm2=9.8, SizeAreaWB_mm2=17.1, SizeX_mm=3.5, SizeY_mm=2.8, SizeZ_mm=2.1, Supplier 1=Digi-Key, Supplier 2=Newark, Supplier 3=Mouser, Supplier Part Number 2=57K1819, Supplier Part Number 3=80-T491B476K010, TaMax_C=125°C, TaMin_C=-55°C, Technology=TA, VDC_V=10V
C28 C29 C44 C46: library part CMP-0078224-1, "CAP, CERM, 0.01 µF, 50 V,+/- 10%, X8R, AEC-Q200 Grade 0, 0402", Cap_Case=0402, Manufacturer=TDK, Supplier Part Number 1=445-12303-1-ND, TempCo=X8R, Tolerance_%=10%, Value2=50V, ValueDisplayed=0.01µF, AEC Category=Q200, AEC Grade=0, AEC Qualified=Y, Cap_F=10nF, ComponentLink1Description="Datasheet link", ComponentLink1URL=https://product.tdk.com/info/en/catalog/datasheets/mlcc_automotive_hightemp_en.pdf, CompType=Capacitor, MountType=SMT, PackageReference=0402, PartNumber=CGA2B3X8R1H103K050BB, Polarized=N, RoHS=Y, SizeArea_mm2=0.5, SizeAreaWB_mm2=3, SizeX_mm=1, SizeY_mm=0.5, SizeZ_mm=0.6, Supplier 1=Digi-Key, Supplier 2=Newark, Supplier 3=Mouser, Supplier Part Number 2=51X6485, Supplier Part Number 3=810-CGA2B3X8R1H103KB, TaMax_C=150°C, TaMin_C=-55°C, Technology=Ceramic, U/M=EA, VDC_V=50V
C41 C61 C62: library part CMP-0078222-1, "CAP, CERM, 1 µF, 6.3 V,+/- 20%, X7S, 0402", Cap_Case=0402, Manufacturer=TDK, Supplier Part Number 1=445-9080-1-ND, TempCo=X7S, Tolerance_%=20%, Value2=6.3V, ValueDisplayed=1µF, AEC Category=Q200, AEC Grade=N/A, AEC Qualified=N, Cap_F=1µF, ComponentLink1Description="Datasheet link", ComponentLink1URL=https://product.tdk.com/info/en/catalog/datasheets/mlcc_commercial_general_en.pdf, CompType=Capacitor, MountType=SMT, PackageReference=0402, PartNumber=C1005X7S0J105M050BC, Polarized=N, RoHS=Y, SizeArea_mm2=0.5, SizeAreaWB_mm2=3, SizeX_mm=1, SizeY_mm=0.5, SizeZ_mm=0.6, Supplier 1=Digi-Key, Supplier 2=Mouser, Supplier Part Number 2=810-C1005X7S0J105M, TaMax_C=125°C, TaMin_C=-55°C, Technology=Ceramic, U/M=EA, VDC_V=6.3V
C50: library part CMP-0078220-1, "CAP, CERM, 0.01 µF, 25 V,+/- 10%, X7R, 0402", Cap_Case=0402, Manufacturer=TDK, Supplier Part Number 1=445-1260-1-ND, TempCo=X7R, Tolerance_%=10%, Value2=25V, ValueDisplayed=0.01µF, AEC Category=Q200, AEC Grade=N/A, AEC Qualified=N, Cap_F=10nF, ComponentLink1Description="Datasheet link", ComponentLink1URL=https://product.tdk.com/info/en/catalog/datasheets/mlcc_commercial_general_en.pdf, CompType=Capacitor, Green_EU RoHS=Passed, Green_EU RoHS-2=Passed, Green_Lifecycle=NRND, Green_REACh=Passed, MountType=SMT, PackageReference=0402, PartNumber=C1005X7R1E103K050BB, Polarized=N, RoHS=Y, SizeArea_mm2=0.5, SizeAreaWB_mm2=3, SizeX_mm=1, SizeY_mm=0.5, SizeZ_mm=0.6, Supplier 1=Digi-Key, Supplier 2=Newark, Supplier 3=Mouser, Supplier Part Number 2=90R7604, Supplier Part Number 3=810-C1005X7R1E103K, TaMax_C=125°C, TaMin_C=-55°C, Technology=Ceramic, U/M=EA, VDC_V=25V
C54 C55 C81 C82: library part CMP-0008811-2, "CAP, CERM, 22 uF, 10 V, +/- 10%, X7R, AEC-Q200 Grade 1, 1206", Cap_Case=1206, Manufacturer=MuRata, TempCo=X7R, Tolerance_%=10%, Value1=Unknown, Value2=10V, ValueDisplayed=22uF, AEC Category=Q200, AEC Grade=1, AEC Qualified=Y, Cap_F=22µF, ComponentLink1Description="Datasheet link", ComponentLink1URL=http://psearch.en.murata.com/capacitor/product/GCM31CR71A226KE02%23.pdf, CompType=Capacitor, LatestRevisionDate=2017-03-09, MountType=SMT, PackageReference=1206, PartNumber=GCM31CR71A226KE02, Polarized=N, Published=2008-06-19, Publisher="Texas Instruments", RoHS=Y, SizeArea_mm2=5.12, SizeAreaWB_mm2=10.92, SizeX_mm=3.2, SizeY_mm=1.6, SizeZ_mm=1.8, TaMax_C=125°C, TaMin_C=-55°C, Technology=Ceramic, U/M=EA, VDC_V=10V
C63 C70: library part CMP-0006494-2, "CAP, CERM, 8 pF, 50 V, +/- 6%, C0G/NP0, 0402", Cap_Case=0402, Manufacturer=MuRata, Supplier Part Number 1=490-5867-1-ND, TempCo=C0G/NP0, Tolerance_%=6%, Value1=Unknown, Value2=50V, ValueDisplayed=8pF, AEC Category=Q200, AEC Grade=N/A, AEC Qualified=N, Cap_F=8pF, ComponentLink1Description="Datasheet link", ComponentLink1URL=http://search.murata.co.jp/Ceramy/image/img/A01X/G101/ENG/GRM1555C1H8R0DA01-01.pdf, CompType=Capacitor, LatestRevisionDate=2017-03-09, MountType=SMT, PackageReference=0402, PartNumber=GRM1555C1H8R0DA01D, Polarized=N, Published=2008-06-19, Publisher="Texas Instruments", RoHS=Y, SizeArea_mm2=0.5, SizeAreaWB_mm2=3, SizeX_mm=1, SizeY_mm=0.5, SizeZ_mm=0.6, Supplier 1=Digi-Key, Supplier 2=Newark, Supplier 3=Mouser, Supplier Part Number 2=96Y9250, Supplier Part Number 3=81-GRM1555C1H8R0DA1D, TaMax_C=125°C, TaMin_C=-55°C, Technology=Ceramic, U/M=EA, VDC_V=50V
C66 C69: library part CMP-0078218-1, "CAP, CERM, 0.01 µF, 16 V,+/- 10%, X7R, 0402", Cap_Case=0402, Manufacturer=Kemet, Supplier Part Number 1=399-1038-1-ND, TempCo=X7R, Tolerance_%=10%, Value2=16V, ValueDisplayed=0.01µF, AEC Category=Q200, AEC Grade=N/A, AEC Qualified=N, Cap_F=10nF, ComponentLink1Description="Datasheet link", ComponentLink1URL=https://content.kemet.com/datasheets/KEM_C1002_X7R_SMD.pdf, CompType=Capacitor, Green_EU RoHS=Passed, Green_EU RoHS-2=Passed, Green_Lifecycle=Active, Green_REACh=Passed, MountType=SMT, PackageReference=0402, PartNumber=C0402C103K4RACTU, Polarized=N, RoHS=Y, SizeArea_mm2=0.5, SizeAreaWB_mm2=3, SizeX_mm=1, SizeY_mm=0.5, SizeZ_mm=0.6, Supplier 1=Digi-Key, Supplier 2=Newark, Supplier 3=Mouser, Supplier Part Number 2=66W8706, Supplier Part Number 3=80-C0402C103K4R, TaMax_C=125°C, TaMin_C=-55°C, Technology=Ceramic, U/M=EA, VDC_V=16V
C74 C77 C80: library part CMP-0006302-2, "CAP, CERM, 2.2 uF, 10 V, +/- 10%, X7S, 0402", Cap_Case=0402_065, Manufacturer=TDK, Supplier Part Number 1=445-9097-1-ND, TempCo=X7S, Tolerance_%=10%, Value1="0.005925 ohm", Value2=10V, ValueDisplayed=2.2uF, AEC Category=Q200, AEC Grade=N/A, AEC Qualified=N, Cap_F=2.2µF, ComponentLink1Description="Datasheet link", ComponentLink1URL=https://product.tdk.com/en/search/capacitor/ceramic/mlcc/info?part_no=C1005X7S1A225K050BC, CompType=Capacitor, ESR_ohm=5.925m, IRMS_A=2.05591A, LatestRevisionDate=2017-03-09, MountType=SMT, PackageReference=0402, PartNumber=C1005X7S1A225K050BC, Polarized=N, Published=2008-06-19, Publisher="Texas Instruments", RoHS=Y, SizeArea_mm2=0.5, SizeAreaWB_mm2=3, SizeX_mm=1, SizeY_mm=0.5, SizeZ_mm=0.65, Supplier 1=Digi-Key, Supplier 2=Mouser, Supplier Part Number 2=810-C1005X7S1A225K, TaMax_C=125°C, TaMin_C=-55°C, Technology=Ceramic, U/M=EA, VDC_V=10V
C78: library part CMP-0078217-1, "CAP, CERM, 15 pF, 50 V,+/- 1%, C0G/NP0, 0402", Cap_Case=0402, Manufacturer=AVX, Supplier Part Number 1=478-5126-1-ND, TempCo=C0G/NP0, Tolerance_%=1%, Value2=50V, ValueDisplayed=15pF, AEC Category=Q200, AEC Grade=N/A, AEC Qualified=N, Cap_F=15pF, ComponentLink1Description="Datasheet link", ComponentLink1URL=http://datasheets.avx.com/C0GNP0-Dielectric.pdf, CompType=Capacitor, Green_EU RoHS=Incomplete, Green_EU RoHS-2=Incomplete, Green_Lifecycle="Not Set", Green_REACh=Incomplete, MountType=SMT, PackageReference=0402, PartNumber=04025A150FAT2A, Polarized=N, RoHS=Y, SizeArea_mm2=0.5, SizeAreaWB_mm2=3, SizeX_mm=1, SizeY_mm=0.5, SizeZ_mm=0.6, Supplier 1=Digi-Key, Supplier 2=Mouser, Supplier Part Number 2=581-04025A150F, TaMax_C=125°C, TaMin_C=-55°C, Technology=Ceramic, U/M=EA, VDC_V=50V
C86 C87 C88 C89: library part CMP-0078223-1, "CAP, CERM, 390 pF, 50 V,+/- 5%, C0G/NP0, AEC-Q200 Grade 0, 0402", Cap_Case=0402, Manufacturer=TDK, Supplier Part Number 1=445-12137-1-ND, TempCo=C0G/NP0, Tolerance_%=5%, Value2=50V, ValueDisplayed=390pF, AEC Category=Q200, AEC Grade=0, AEC Qualified=Y, Cap_F=390pF, ComponentLink1Description="Datasheet link", ComponentLink1URL=https://product.tdk.com/info/en/catalog/datasheets/mlcc_automotive_hightemp_en.pdf, CompType=Capacitor, MountType=SMT, PackageReference=0402, PartNumber=CGA2B2NP01H391J050BA, Polarized=N, RoHS=Y, SizeArea_mm2=0.5, SizeAreaWB_mm2=3, SizeX_mm=1, SizeY_mm=0.5, SizeZ_mm=0.6, Supplier 1=Digi-Key, Supplier 2=Mouser, Supplier Part Number 2=810-CGA2B2NP01H391JA, TaMax_C=150°C, TaMin_C=-55°C, Technology=Ceramic, U/M=EA, VDC_V=50V
"CAUTION HOT SURFACE1": library part CMP-0074837-1, "IEC 61010-1 Hot Surface Warning", LatestRevisionDate=2017-07-06, Lib Reference=IEC_HotSurface, PartNumber="CAUTION HOT SURFACE", Published=2009-03-03, Publisher="Texas Instruments", SymbolCreator=a0412235, SymbolVersion=2011-08-22
D2: library part CMP-0078187-1, "Diode, Schottky,  V, 0.01 A, SOD-882", Manufacturer="Skyworks Solutions", Value1=0.01A, Value2=0.34V, AEC Category=Q101, AEC Qualified=N, ComponentLink1Description="Datasheet link", ComponentLink1URL=http://www.skyworksinc.com/uploads/documents/SMS392x_Series_200042AC.pdf, CompType=Diode, Io_A=10mA, MountType=SMT, PackageReference=SOD-882, PartNumber=SMS3923-040LF, RoHS=Y, SizeArea_mm2=0.6, SizeAreaWB_mm2=3.2, SizeX_mm=1, SizeY_mm=0.6, SizeZ_mm=0.5, Supplier 1=Digi-Key, Supplier 2=Mouser, Supplier Part Number 1=SMS3923-040LF, Supplier Part Number 2=873-SMS3923-040LF, TJmax_C=150°C, Type=Schottky, Vf_V=3.4dV
D3: library part CMP-0078243-1, "Diode, TVS, Uni, 5.8 V, 10.5 Vc, AEC-Q101, SMB", Manufacturer=Littelfuse, Power_W=550mW, Supplier Part Number 1=SZP6SMB6.8AT3G-ND, Value1=0.55W, AEC Category=Q101, AEC Qualified=Y, ComponentLink1Description="Datasheet link", ComponentLink1URL=http://www.littelfuse.com/~/media/electronics/datasheets/tvs_diodes/littelfuse_tvs_diode_szp6smb_datasheet.pdf.pdf, CompType=TVS, MountType=SMT, PackageReference=SMB, PartNumber=SZP6SMB6.8AT3G, RJA_CperW=226, RoHS=Y, SizeArea_mm2=21.336, SizeAreaWB_mm2=44.156, SizeX_mm=5.6, SizeY_mm=3.81, SizeZ_mm=2.6, Supplier 1=Digi-Key, Supplier 2=Mouser, Supplier Part Number 2=863-SZP6SMB6.8AT3G, Vr_V=5.8V
DS1 DS2 DS5: library part CMP-0002876-1, "LED, Super Red, SMD", Color="super red", Manufacturer=Lumex, Supplier Part Number 1=67-1551-1-ND, Value1=W, Value2=1.7V, ComponentLink1Description="Datasheet link", ComponentLink1URL=http://www.lumex.com/specs/SML-LX0603SRW-TR.pdf, CompType=LED, Io_A=20mA, LatestRevisionDate=2017-03-09, MountType=SMT, PackageReference="LED, 1.6x.6x.8mm", PartNumber=SML-LX0603SRW-TR, Published=2008-07-11, Publisher="Texas Instruments", RoHS=Y, Supplier 1=Digi-Key, Supplier 2=Newark, Supplier 3=Mouser, Supplier Part Number 2=09J9551, Supplier Part Number 3=696-SML-LX0603SRW, Type=?, U/M=EA, Vf_V=1.7V
DS3 DS4: library part CMP-0002977-2, "LED, Yellow, SMD", Color=yellow, Manufacturer=Rohm, Power_TotalModule=54mW, Supplier Part Number 1=511-1588-1-ND, Value1=0.054W, Value2=2.2V, ComponentLink1Description="Datasheet link", ComponentLink1URL=http://rohmfs.rohm.com/en/products/databook/datasheet/opto/led/chip_mono/sml-e1.pdf, CompType=LED, Io_A=20mA, Ir_A=10µA, LatestRevisionDate=2017-03-09, LuminousIntensity_IV=63, MountType=SMT, PackageReference=1.6x0.8mm, PartNumber=SML-E12Y8WT86, Published=2008-07-11, Publisher="Texas Instruments", RoHS=Y, Supplier 1=Digi-Key, Supplier 2=Mouser, Supplier Part Number 2=755-SML-E12Y8WT86, TJmax_C=85°C, Type=?, U/M=EA, Vf_V=2.2V, Vr_V=5V
"ESD Susceptible1": library part CMP-0074840-1, "ESD Susceptible Symbol", LatestRevisionDate=2017-07-06, Lib Reference=ESD_Susceptible, PartNumber="ESD Susceptible", Published=2009-03-03, Publisher="Texas Instruments", SymbolCreator=a0412235, SymbolVersion=2011-08-22
F1: library part CMP-0003458-2, "Fuse, 5 A, 32VAC/VDC, SMD", Irating_A=5A, Manufacturer=Littelfuse, Supplier Part Number 1=F1608CT-ND, ComponentLink1Description="Datasheet URL", ComponentLink1URL=http://www.littelfuse.com/~/media/electronics/datasheets/fuses/littelfuse_fuse_440_datasheet.pdf.pdf, CompType=Fuse, Interrupt_AC=50A, Interrupt_DC=50A, MeltingTyp=4.761, MountType=SMT, PackageReference=1206, PartNumber=0440005.WR, RoHS=Y, Rtyp_Ohm=0.012, SizeArea_mm2=5.12, SizeAreaWB_mm2=10.92, SizeX_mm=3.2, SizeY_mm=1.6, SizeZ_mm=1.35, Supplier 1=Digi-Key, Supplier 2=Newark, Supplier 3=Mouser, Supplier Part Number 2=64R8013, Supplier Part Number 3=576-0440005.WR, VAC_V=32V, VDC_V=32V
FB1 FB2: library part CMP-0003364-1, "Ferrite Bead, 30 ohm @ 100 MHz, 4 A, 0805", Manufacturer=MuRata, Supplier Part Number 1=490-11049-1-ND, Value1="0.014 ohm", Value2=4A, ValueDisplayed="30 ohm", ComponentLink1Description="Datasheet link", ComponentLink1URL=http://www.murata.com/en-us/api/pdfdownloadapi?cate=luNoiseSupprFilteChipFerriBead&partno=BLM21PG300SH1%23, CompType="Ferrite Bead", DCR_ohm=0.014, Imax_A=4A, LatestRevisionDate=2017-03-09, MountType=SMT, PackageReference=0805, PartNumber=BLM21PG300SH1D, Published=2014-04-30, Publisher="Texas Instruments", RoHS=Y, SizeArea_mm2=2.5, SizeAreaWB_mm2=6.75, SizeX_mm=2, SizeY_mm=1.25, SizeZ_mm=1.45, Supplier 1=Digi-Key, Supplier 2=Newark, Supplier 3=Mouser, Supplier Part Number 2=87X8590, Supplier Part Number 3=81-BLM21PG300SH1D, ZTyp@100MHz_Ohm=30
  FB2: INSTALLATION=DNP
FID1 FID2 FID3 FID4 FID5 FID6 FID7: library part CMP-0077181-1, "Fiducial mark.  There is nothing to buy or mount.", Manufacturer=N/A, ClassName=FiducialMark, CompType=Fiducial, MountType=N/A, PackageReference=N/A, PartNumber=N/A
J1: library part CMP-0075524-1, "Receptacle, 0.5 mm, 30x2, Gold, TH", Color=Black, Manufacturer=Samtec, Supplier Part Number 1=SAM8180-ND, CNHeader=False, ComponentLink1Description="Datasheet URL", ComponentLink1URL=http://www.samtec.com/ftppub/cpdf/QSH-XXX-01-X-D-XX-MKT.pdf, CompType=Receptacle, ContactFinish=Gold, CT=False, Gender=Female, Green_EU RoHS="Passed with Exemption", Green_EU RoHS-2=Passed, Green_Lifecycle=Active, Green_REACh=Passed, LatestRevisionDate=2017-07-12, MountType=SMT, Orientation=Vertical, PackageReference="Receptacle, 0.5 mm, 30x2, TH", PartNumber=QSH-030-01-L-D-A, PinCount=60, Pitch_mm=0.5, Publisher="Texas Instruments", RoHS=Y, Row_Count=2, RowSpacing_mm=5.73, Shrouded=N, Supplier 1=Digi-Key, Supplier 2=Newark, Supplier 3=Farnell, Supplier Part Number 2=19M9181, Supplier Part Number 3=1667876
J2: library part CMP-0055788-1, "UMC Straight Jack Receptacle, 50 Ohm, Gold, SMT", Manufacturer="Cinch Connectivity", Supplier Part Number 1=J983CT-ND, CNHeader=FALSE, ComponentLink1Description="Datasheet URL", ComponentLink1URL=https://cinchconnectivity.com/OA_MEDIA/catalog/pdf_UMCCatalogcatalog.pdf, CompType=Jack, ContactFinish=Gold, CT=FALSE, Gender=Female, LatestRevisionDate=26/05/2017, MountType=SMT, Orientation=Vertical, PackageReference="UMC Straight Jack Receptacle, SMT", PartNumber=128-0711-201, PinCount=3, Publisher="Texas Instruments", RoHS=Y, Supplier 1=Digi-Key, Supplier 2=Newark, Supplier 3=Mouser, Supplier Part Number 2=99M0460, Supplier Part Number 3=530-1280711201
J3: library part CMP-0075352-1, "Terminal Block, 3.5mm, 3x1, Tin, R/A, TH", Color=Blue, Current_A=10A, Manufacturer="On-Shore Technology", Supplier Part Number 1=ED2636-ND, Voltage_V=125V, Cert_CSA=Y, Cert_UL=Y, CNHeader=False, ComponentLink1Description="Datasheet URL", ComponentLink1URL=http://www.on-shore.com/wp-content/uploads/2015/09/osttexx0161.pdf, CompType="Terminal Block", ContactFinish=Tin, CT=True, Gender=Female, Green_EU RoHS=Incomplete, Green_EU RoHS-2=Incomplete, Green_Lifecycle="Not Set", Green_REACh=Incomplete, LatestRevisionDate=2017-07-12, MountType=TH, Orientation=R/A, PackageReference="Terminal Block, 3.5mm, 3x1, TH", PartNumber=OSTTE030161, PinCount=3, Pitch_mm=3.5, Publisher="Texas Instruments", RoHS=Y, Row_Count=1, Supplier 1=Digi-Key
J4 J7: library part CMP-0078183-1, "Receptacle, 2.54mm, 3x1, Gold with Tin tail, SMT", Color=Black, Current_A=5.2A, Manufacturer=Samtec, Supplier Part Number 1=SAM1152-03-ND, Voltage_V=405V, Cert_CSA=Y, Cert_UL=Y, ComponentLink1Description="Datasheet URL", ComponentLink1URL=http://suddendocs.samtec.com/catalog_english/ssm_sm.pdf, CompType="Socket Strip", ContactFinish=Gold, Gender=Female, MountType=SMT, Orientation=Vertical, PackageReference="Receptacle, 2.54mm, 3x1, SMT", PartNumber=SSM-103-S-SV, PinCount=3, Pitch_mm=2.54, RoHS=Y, Row_Count=1, Supplier 1=Digi-Key, Supplier 2=Newark, Supplier Part Number 2=11P7855
J5 J6: library part CMP-0078182-1, "Receptacle, 2.54mm, 10x2, Gold with Tin tail, SMT", Color=Black, Current_A=5.2A, Manufacturer=Samtec, Supplier Part Number 1=SAM1150-10-ND, Voltage_V=405V, Cert_CSA=Y, Cert_UL=Y, ComponentLink1Description="Datasheet URL", ComponentLink1URL=http://suddendocs.samtec.com/catalog_english/ssm_sm.pdf, CompType="Socket Strip", ContactFinish=Gold, Gender=Female, MountType=SMT, Orientation=Vertical, PackageReference="Receptacle, 2.54mm, 10x2, SMT", PartNumber=SSM-110-S-DV, PinCount=20, Pitch_mm=2.54, RoHS=Y, Row_Count=2, RowSpacing_mm=2.54, Supplier 1=Digi-Key, Supplier 2=Newark, Supplier Part Number 2=66H7361
J8: library part CMP-0055293-1, "Connector, Receptacle, Micro-USB Type B, R/A, Bottom Mount SMT", Manufacturer=Molex, Supplier Part Number 1=WM1399CT-ND, CNHeader=FALSE, ComponentLink1Description="Datasheet URL", ComponentLink1URL=http://www.molex.com/pdm_docs/sd/1050170001_sd.pdf, CompType=USB, CT=TRUE, Gender=Female, Green_EU RoHS=Passed, Green_EU RoHS-2=Passed, Green_Lifecycle=Active, Green_REACh=Passed, LatestRevisionDate=26/05/2017, MountType=SMT, PackageReference="Micro USB receptacle", PartNumber=105017-0001, Publisher="Texas Instruments", RoHS=Y, Supplier 1=Digi-Key, Supplier 2=Newark, Supplier 3=Mouser, Supplier Part Number 2=78R1699, Supplier Part Number 3=538-105017-0001
L1 L2 L3 L4: library part CMP-0058946-1, "Inductor, Shielded, 470 nH, 4.7 A, 0.021 ohm, SMD", Manufacturer="MuRata Toko", PartNumber=DFE252012P-R47M=P2, Value1="0.021 ohm", Value2=4.7A, ValueDisplayed=470nH, AEC Category=Q200, AEC Qualified=?, ComponentLink1Description="Datasheet link", ComponentLink1URL=http://www.toko.co.jp/products/pdf/inductors/dfe252012p.pdf, CompType=Inductor, DCR_ohm=0.021, Imax_A=4.7A, Ind_H=470nH, Irms="4.7A @ 40C rise", Isat="6.4A @ 30% inductance drop", LatestRevisionDate=2017-06-02, Material=?, MountType=SMT, PackageReference=1008, Published=2008-06-26, Publisher="Texas Instruments", RoHS=Y, SizeArea_mm2=5, SizeAreaWB_mm2=10.5, SizeX_mm=2.5, SizeY_mm=2, SizeZ_mm=1.2, Technology=Shielded
L5 L7 L8 L9: library part CMP-0083745-1, "Inductor, Wirewound, Ferrite, 100 nH, 2.85 A, 0.024 ohm, AEC-Q200 Grade 1, SMD", Manufacturer=TDK, Value1="0.024 ohm", Value2=2.85A, ValueDisplayed=100nH, AEC Category=Q200, AEC Grade=1, AEC Qualified=Y, ComponentLink1Description="Datasheet link", ComponentLink1URL=https://product.tdk.com/info/en/catalog/datasheets/inductor_automotive_decoupling_nlcv32-efrd_en.pdf, CompType=Inductor, DCR_ohm=0.024, Imax_A=2.85A, Ind_H=100nH, Irms="2.85A @ 40C rise", Isat="2.85A @ 10% inductance drop", Material=Ferrite, MountType=SMT, PackageReference=3.2x2.2x2.5mm, PartNumber=NLCV32T-R10M-EFRD, RoHS=Y, SizeArea_mm2=7.04, SizeAreaWB_mm2=13.44, SizeX_mm=3.2, SizeY_mm=2.2, SizeZ_mm=2.5, Technology=Wirewound
LBL1: library part CMP-0003625-1, "Thermal Transfer Printable Labels, 0.650\" W x 0.200\" H - 10,000 per roll", Manufacturer=Brady, PartNumber=THT-14-423-10, Supplier Part Number 1=97C5133, ClassName=Label, ComponentLink1Description="Web Page", ComponentLink1URL=http://www.bradyid.com/bradyid/pdpv/THT-14-423-10.html, CompType=Label, Key=THT-14-423-10, LatestRevisionDate=2017-03-09, MountType=N/A, Note="Size: 0.65\" x 0.20 \"", PackageReference="PCB Label 0.650 x 0.200 inch", Publisher="Texas Instruments", RoHS=Y, Supplier 1=Newark, Supplier 2=Farnell, Supplier Part Number 2=2065596
Logo1: library part CMP-0074838-1, "Texas Instrument Corporate Signature", ClassName=Logo, LatestRevisionDate=2017-07-06, Lib Reference=TI_Logo, PartNumber="Texas Instruments", Published=2009-03-03, Publisher="Texas Instruments", SymbolCreator=a0412235, SymbolVersion=2011-08-22
Logo2: library part CMP-0074847-1, "FCC_disclaimer", LatestRevisionDate=2017-07-06, Lib Reference=FCC_disclaimer, PartNumber="FCC disclaimer", Published=2009-03-03, Publisher="Texas Instruments"
Logo3: library part CMP-0074769-1, Lib Reference="WEEE logo", PartNumber="WEEE logo"